# Altium PCB H-00488.PcbDoc (part 1 of 9) (continued)
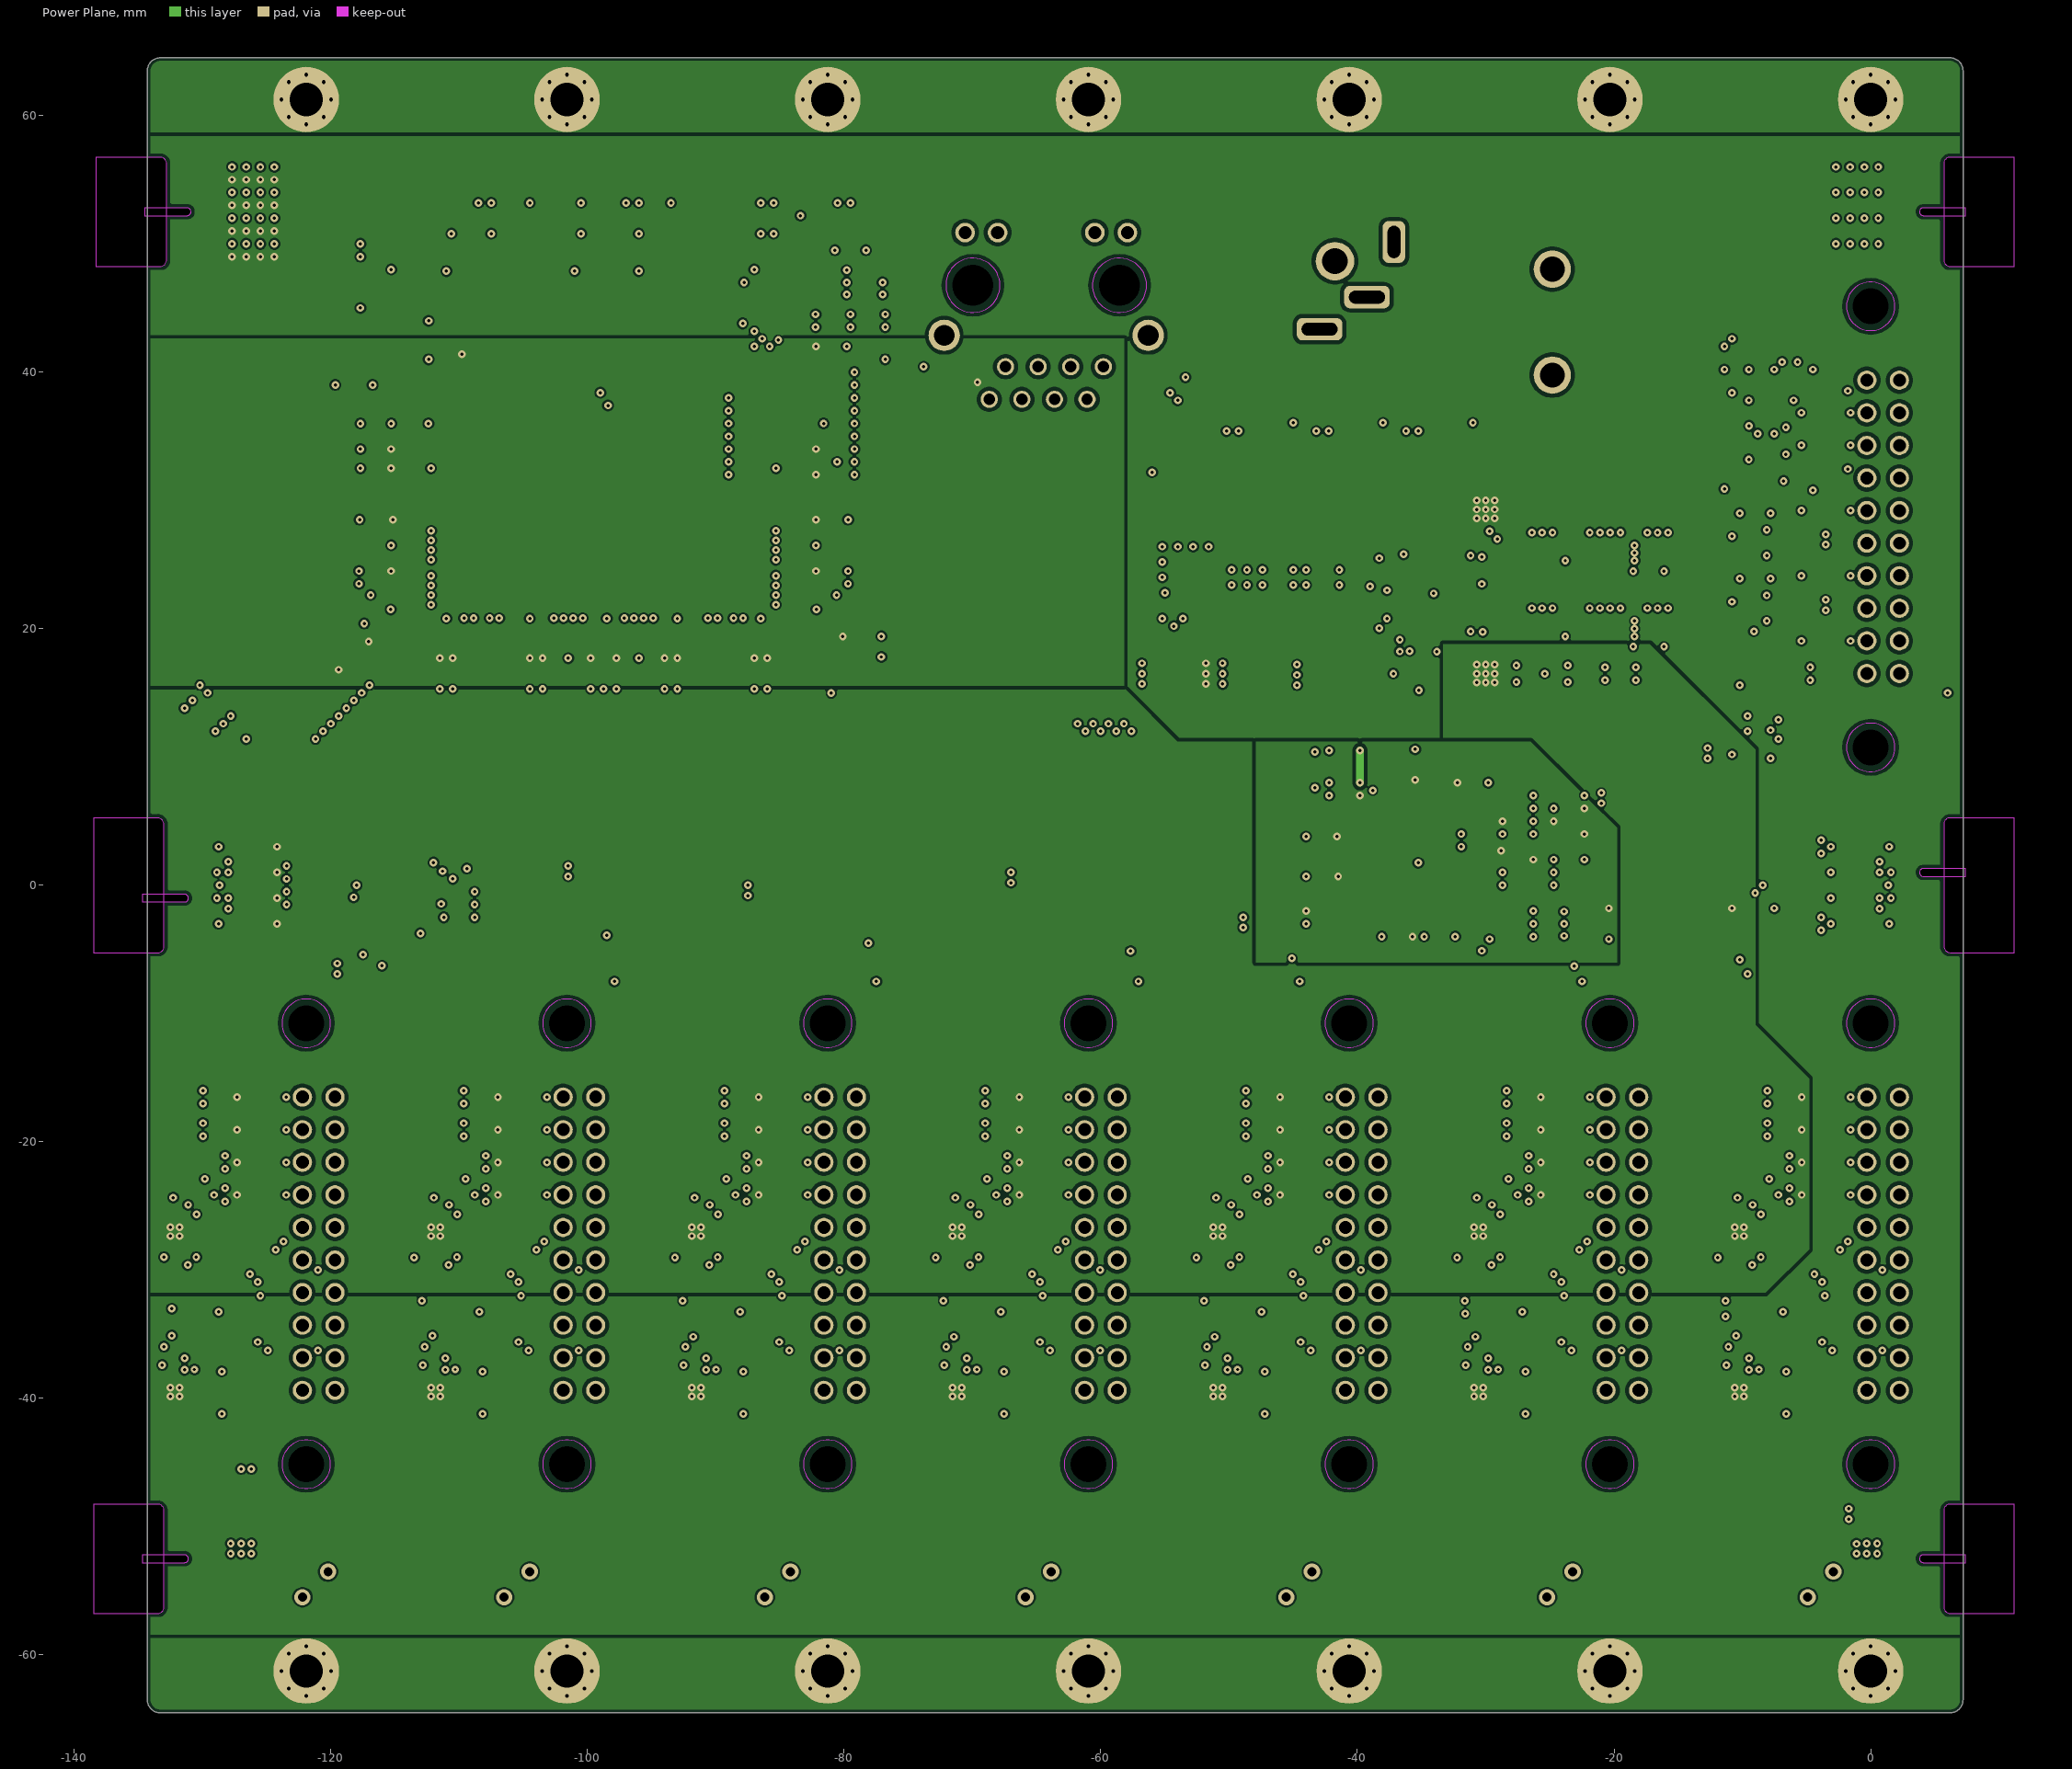
[diagram p3: Power Plane]
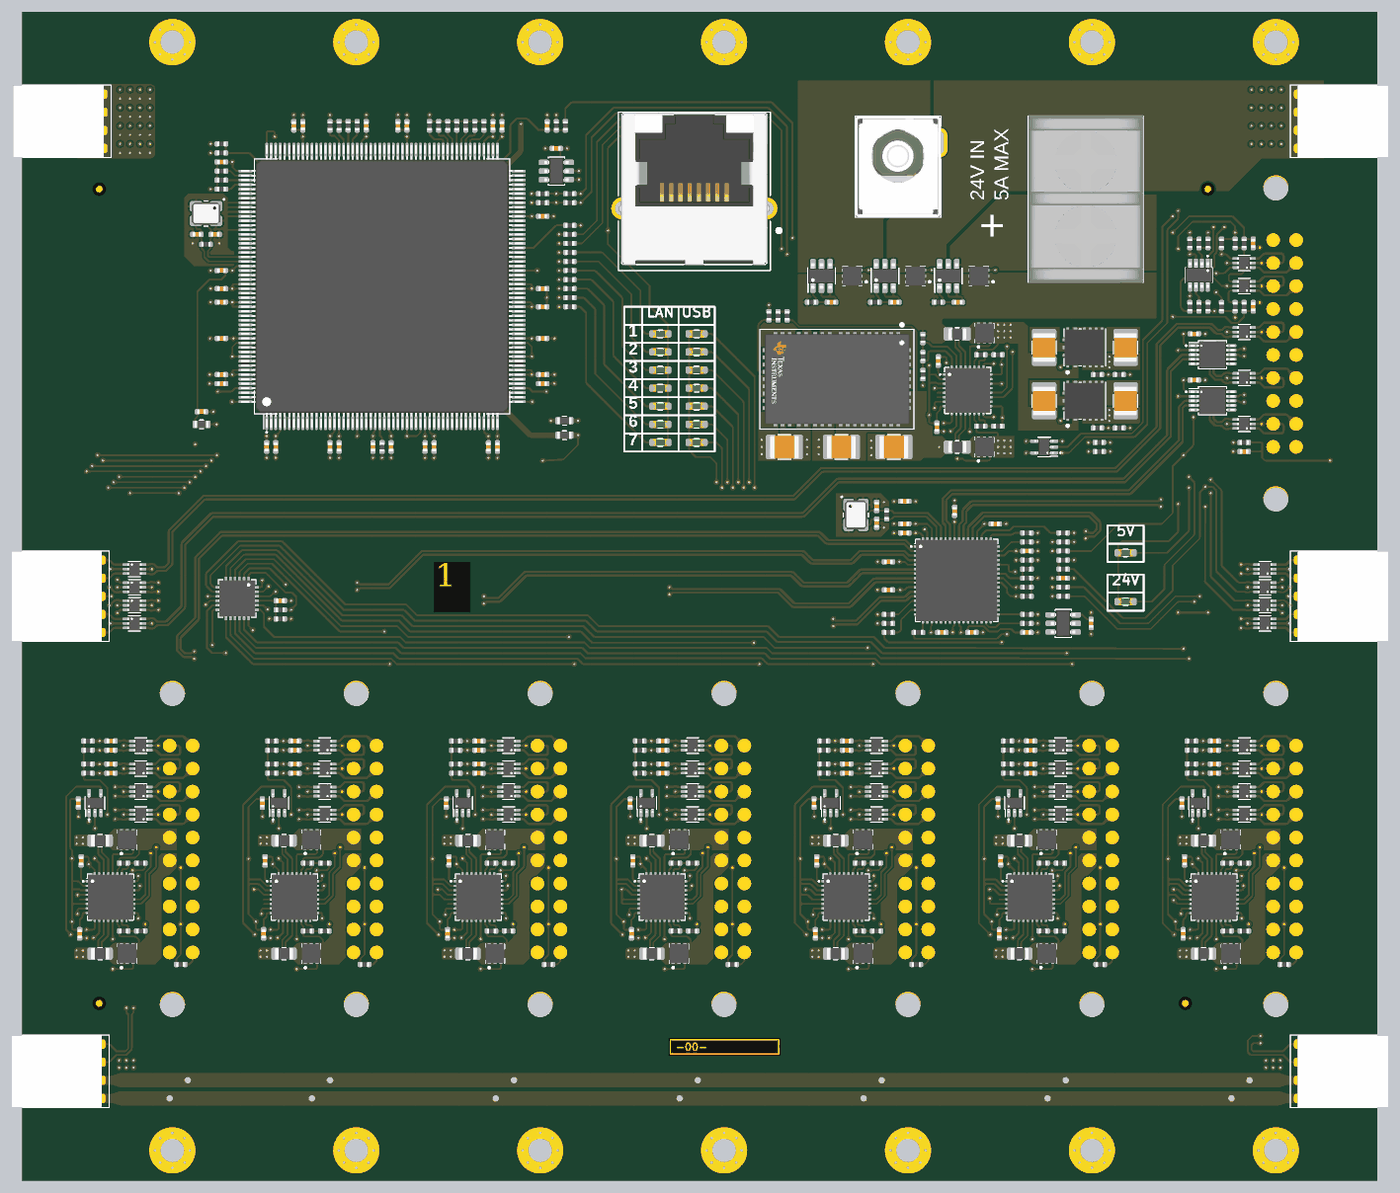
[diagram p12: 3D render of the assembled board from above, using the file's embedded part models]

## Layer stack, top to bottom
Top Solder: solder mask 0.01, Solder Resist, Dk 3.5
Top Layer: signal copper 0.018
Dielectric 1: prepreg 0.36, Prepreg, Dk 4.2
Ground Plane: signal copper 0.035
Dielectric 3: core 0.71, FR-4, Dk 4.2
Power Plane: signal copper 0.035
Dielectric 2: prepreg 0.36, Prepreg, Dk 4.2
Bottom Layer: signal copper 0.018
Bottom Solder: solder mask 0.01, Solder Resist, Dk 3.5

## Board outline
-133.3,-64.5 6.2,-64.5 ccw(c6.2,-63.5) 7.2,-63.5 7.2,63.5 ccw(c6.2,63.5) 6.2,64.5 -133.3,64.5 ccw(c-133.3,63.5) -134.3,63.5 -134.3,-63.5 ccw(c-133.3,-63.5)

## Design rules (kind name [scope] priority, off if disabled: settings)
BoardOutlineClearance [Not OnSilkscreen] p1: gap=0.25 ignorepadtopadclearanceinfootprint=FALSE except(0: Arc-SplitContinuation Track-SplitContinuation SMDPad-SplitContinuation THPad-SplitContinuation Via-SplitContinuation Fill-SplitContinuation Poly-SplitContinuation Region-SplitContinuation Text-SplitContinuation)
Clearance [OnLayer('Ground Plane') or OnLayer('Power Plane')] p1: gap=0.3 ignorepadtopadclearanceinfootprint=FALSE except(0.15: Via-Via Via-Fill Via-Poly Via-Region)
Clearance Clearance-xPP-xTP-xTT [All] p2: gap=0.15 ignorepadtopadclearanceinfootprint=FALSE
ComponentClearance [Not HasFootprint('TITLEBLOCK*') vs Not HasFootprint('TITLEBLOCK*')] p1: gap=0.25 collisioncheckmode=3 verticalgap=0.25 showdistances=FALSE
DiffPairsRouting [All] p1: maxlimit=0.15 minlimit=0.15 mostfreqgap=0.15 toplayer_minwidth=0.25 toplayer_maxwidth=0.3 toplayer_prefwidth=0.3 bottomlayer_minwidth=0.25 bottomlayer_maxwidth=0.3 bottomlayer_prefwidth=0.3 impedanceprofiledriven=TRUE impedanceprofileid={B064AB11-E906-451A-BC8F-0464435875FC} impedanceprofilevalue=100.000000 maxuncoupledlength=12.5
Height [All] p1: minheight=0 maxheight=25 prefheight=12.5
HoleSize HoleSize-PTH [All] p1: absolutevalues=TRUE maxlimit=3.5 minlimit=0.25 maxpercent=80.000 minpercent=20.000
HoleToHoleClearance HoleToHoleClearance_NPTH [Not PadIsPlated vs Not PadIsPlated] p1: gap=0.2 allowstackedmicrovias=TRUE
HoleToHoleClearance [All] p2: gap=0.35 allowstackedmicrovias=TRUE
MinimumAnnularRing "Minimum IAR  >0.45mm" [((ObjectKind = 'Pad') OR (ObjectKind = 'Via')) And (Layer = 'MultiLayer') And (HoleDiameter > AsMM(0.45))] p1: minimumring=0.174 // minimum inner annular ring for pads > 0.45mm finished hole size
MinimumAnnularRing "Minimum IAR <=0.45mm" [((ObjectKind = 'Pad') OR (ObjectKind = 'Via')) And (Layer = 'MultiLayer') And (HoleDiameter <= AsMM(0.45))] p2: minimumring=0.174 // minimum inner annular ring for pads <= 0.45mm finished hole size
MinimumSolderMaskSliver [All] p1: minsoldermaskwidth=0.08
PlaneClearance PlaneClearance-IPI [All] p1: clearance=0.3
PlaneConnect [All] p1: planeconnectstyle=Direct reliefexpansion=0.175 reliefentries=4 reliefconductorwidth=0.2 reliefairgap=0.2
PolygonConnect [HasFootprint('*RLX*') or               HasFootprint('CAPC320*') or       HasFootprint('*RXH*')   or       HasFootprint('*RKH*')] p1: connectstyle=Direct reliefconductorwidth=0.254 reliefentries=4 polygonreliefangle="90 Angle" airgapwidth=0.254
PolygonConnect PolygonConnect-AVX [HasFootprint('AVX_00-9159-008')] p2: connectstyle=Direct reliefconductorwidth=0.254 reliefentries=4 polygonreliefangle="90 Angle" airgapwidth=0.254
PolygonConnect PolygonConnect-GNDC [InNet('GNDC')] p3: connectstyle=Direct reliefconductorwidth=0.254 reliefentries=4 polygonreliefangle="90 Angle" airgapwidth=0.254
PolygonConnect PolygonConnect-Sense [HasFootprint('*SOT1220') or HasFootprint('RESC200X125X70*') or InNet('V_OUT_*')] p4: connectstyle=Direct reliefconductorwidth=0.254 reliefentries=4 polygonreliefangle="90 Angle" airgapwidth=0.254
PolygonConnect PolygonConnect-xTW [All] p5: thpad.connectstyle=Relief thpad.reliefconductorwidth=0.3 thpad.reliefentries=4 thpad.polygonreliefangle="90 Angle" thpad.airgapwidth=0.2 smdpad.connectstyle=Relief smdpad.reliefconductorwidth=0.2 smdpad.reliefentries=4 smdpad.polygonreliefangle="90 Angle" smdpad.airgapwidth=0.2 via.connectstyle=Direct via.reliefconductorwidth=0.2 via.reliefentries=4 via.polygonreliefangle="90 Angle" via.airgapwidth=0.2
RoomDefinition LAN [InComponentClass('LAN')] p1: confinementstyle=ConfineIn formatcopy=TRUE lockcomponents=FALSE outline -7.2,-20.6 -133.2,-20.6 -133.2,54.6 -7.2,54.6
RoomDefinition USB [InComponentClass('USB')] p2: confinementstyle=ConfineIn formatcopy=TRUE lockcomponents=FALSE outline -66,-5 -18,-5 -18,32.4 -66,32.4
RoomDefinition ADDR [InComponentClass('ADDR')] p3: confinementstyle=ConfineIn formatcopy=TRUE lockcomponents=FALSE outline -13.7,30.2 1.7,30.2 1.7,44.5 -13.7,44.5
RoomDefinition DOWNSTREAM [InComponentClass('DOWNSTREAM')] p4: confinementstyle=ConfineIn formatcopy=TRUE lockcomponents=FALSE outline -141.275,-61.245 -122.5,-61.245 -122.5,58.755 -141.275,58.755
RoomDefinition CONNECTORS [InComponentClass('CONNECTORS')] p5: confinementstyle=ConfineIn formatcopy=TRUE lockcomponents=FALSE outline -74.4,33.1 -12.5,33.1 -12.5,55.5 -74.4,55.5
RoomDefinition I2C [InComponentClass('I2C')] p6: confinementstyle=ConfineIn formatcopy=TRUE lockcomponents=FALSE outline -123.9,-4.2 -107,-4.2 -107,3.7 -123.9,3.7
RoomDefinition SLOT1 [InComponentClass('SLOT1')] p7: confinementstyle=ConfineIn formatcopy=FALSE lockcomponents=FALSE outline -134.62,-48.545 -114.3,-48.545 -114.3,-6.635 -134.62,-6.635
RoomDefinition POWER [InComponentClass('POWER')] p8: confinementstyle=ConfineIn formatcopy=TRUE lockcomponents=FALSE outline -58.8,-2 -14,-2 -14,39.48 -58.8,39.48
RoomDefinition MASTER [InComponentClass('MASTER')] p9: confinementstyle=ConfineIn formatcopy=FALSE lockcomponents=FALSE outline -16.8,5.725 16.4,5.725 16.4,50 -16.8,50
RoomDefinition SLOT7 [InComponentClass('SLOT7')] p10: confinementstyle=ConfineIn formatcopy=TRUE lockcomponents=FALSE outline -12.7,-48.545 7.62,-48.545 7.62,-6.635 -12.7,-6.635
RoomDefinition UPSTREAM [InComponentClass('UPSTREAM')] p11: confinementstyle=ConfineIn formatcopy=TRUE lockcomponents=FALSE outline -4.5,-61.245 13.975,-61.245 13.975,58.755 -4.5,58.755
RoomDefinition SLOT5 [InComponentClass('SLOT5')] p12: confinementstyle=ConfineIn formatcopy=TRUE lockcomponents=FALSE outline -53.34,-48.545 -33.02,-48.545 -33.02,-6.635 -53.34,-6.635
RoomDefinition SLOT4 [InComponentClass('SLOT4')] p13: confinementstyle=ConfineIn formatcopy=TRUE lockcomponents=FALSE outline -73.66,-48.545 -53.34,-48.545 -53.34,-6.635 -73.66,-6.635
RoomDefinition SLOT3 [InComponentClass('SLOT3')] p14: confinementstyle=ConfineIn formatcopy=TRUE lockcomponents=FALSE outline -93.98,-48.545 -73.66,-48.545 -73.66,-6.635 -93.98,-6.635
RoomDefinition SLOT2 [InComponentClass('SLOT2')] p15: confinementstyle=ConfineIn formatcopy=TRUE lockcomponents=FALSE outline -114.3,-48.545 -93.98,-48.545 -93.98,-6.635 -114.3,-6.635
RoomDefinition SLOT6 [InComponentClass('SLOT6')] p16: confinementstyle=ConfineIn formatcopy=TRUE lockcomponents=FALSE outline -33.02,-48.545 -12.7,-48.545 -12.7,-6.635 -33.02,-6.635
RoutingCorners [All] p1: cornerstyle=45-Degree minsetback=2.5 maxsetback=2.5
RoutingVias "RoutingVias <= 0.45mm" [(ObjectKind = 'Via') And (HoleDiameter <= AsMM(0.45))] p1: holewidth=0.3 width=0.65 viastyle="Through Hole" minholewidth=0.25 minwidth=0.6 maxholewidth=0.45 maxwidth=0.8 // finishet hole size <= 0.45mm
SMDEntry [All] p1: side=TRUE corner=FALSE anyangle=FALSE
SMDToCorner [Not InNet('*SENSE*') And Not InNet('V_24P0') And Not InNet('V_5P0') And Not InNet('V_IN_24P0')  And Not InNet('V_REG_5P0')] p1: distance=39370
SilkToSilkClearance [All] p1: silktosilkclearance=0.2
SilkToSolderMaskClearance SilkscreenOverComponentPads [IsPad] p1: minsilkscreentomaskgap=0.1 clearancetoexposedcopper=TRUE
SolderMaskExpansion [All] p1: expansion=0 istentingtop=FALSE
UnRoutedNet [All] p1: checkbadconnections=TRUE
Width Width-xTW [All] p1: maxlimit=2 minlimit=0.15 preferedwidth=0.2
18 further rules are at their usual default settings.

## Classes and differential pairs
net class USB_Nets: USB_CFG1 USB_CFG2 USB_LED_A1 USB_LED_A2 USB_LED_A3 USB_LED_A4 USB_LED_A5 USB_LED_A6 USB_LED_A7 USB_LED_R_A1 USB_LED_R_A2 USB_LED_R_A3 USB_LED_R_A4 USB_LED_R_A5 USB_LED_R_A6 USB_LED_R_A7 USB_LEDB1 USB_LEDB2 USB_LEDB3 USB_LEDB4 USB_LEDB5 USB_LEDB6 USB_LEDB7 USB_OSC1 USB_OSC2 USB_OSC3 USB_OSC4 USB_OSC5 USB_OSC6 USB_OSC7 USB_PWR1 USB_PWR2 USB_PWR3 USB_PWR4 USB_PWR5 USB_PWR6 USB_PWR7 USB_RBIAS USB_RESET USB_SCL USB_SDA USB_SUSP USB_TEST USB_XTAL1 USB_XTAL2 V_USB_1P8 V_USB_3V3 V_USB_PLL_1P8 VBUS_DET
net class UPSTREAM_Nets: US_HOST1_D_N US_HOST1_D_P US_HOST2_D_N US_HOST2_D_P US_ID US_RESET US_SCL US_SDA
net class SLOT7_Nets: ADIN1_7 ADIN2_7 ADR0_7 ADR1_7 ADR2_7 ALERT_7 CONFIG_7 EN_7 EN_EXT_7 FB1_7 FB2_7 GATE1_7 GATE2_7 GPIO1_7 GPIO2_7 I2C_EXT_SCL_7 I2C_EXT_SDA_7 LAN_RX_7_N LAN_RX_7_P LAN_RX_EXT_7_N LAN_RX_EXT_7_P LAN_TX_7_N LAN_TX_7_P LAN_TX_EXT_7_N LAN_TX_EXT_7_P ON_7 OV1_7 OV2_7 SENSE1_7 SENSE2_7 SS_7 TIMER_7 USB_D_7_N USB_D_7_P UV1_7 UV2_7 V_OUT_5P0_7 V_OUT_24P0_7
net class SLOT6_Nets: ADIN1_6 ADIN2_6 ADR0_6 ADR1_6 ADR2_6 ALERT_6 CONFIG_6 EN_6 EN_EXT_6 FB1_6 FB2_6 GATE1_6 GATE2_6 GPIO1_6 GPIO2_6 I2C_EXT_SCL_6 I2C_EXT_SDA_6 LAN_RX_6_N LAN_RX_6_P LAN_RX_EXT_6_N LAN_RX_EXT_6_P LAN_TX_6_N LAN_TX_6_P LAN_TX_EXT_6_N LAN_TX_EXT_6_P ON_6 OV1_6 OV2_6 SENSE1_6 SENSE2_6 SS_6 TIMER_6 USB_D_6_N USB_D_6_P UV1_6 UV2_6 V_OUT_5P0_6 V_OUT_24P0_6
net class SLOT5_Nets: ADIN1_5 ADIN2_5 ADR0_5 ADR1_5 ADR2_5 ALERT_5 CONFIG_5 EN_5 EN_EXT_5 FB1_5 FB2_5 GATE1_5 GATE2_5 GPIO1_5 GPIO2_5 I2C_EXT_SCL_5 I2C_EXT_SDA_5 LAN_RX_5_N LAN_RX_5_P LAN_RX_EXT_5_N LAN_RX_EXT_5_P LAN_TX_5_N LAN_TX_5_P LAN_TX_EXT_5_N LAN_TX_EXT_5_P ON_5 OV1_5 OV2_5 SENSE1_5 SENSE2_5 SS_5 TIMER_5 USB_D_5_N USB_D_5_P UV1_5 UV2_5 V_OUT_5P0_5 V_OUT_24P0_5
net class SLOT4_Nets: ADIN1_4 ADIN2_4 ADR0_4 ADR1_4 ADR2_4 ALERT_4 CONFIG_4 EN_4 EN_EXT_4 FB1_4 FB2_4 GATE1_4 GATE2_4 GPIO1_4 GPIO2_4 I2C_EXT_SCL_4 I2C_EXT_SDA_4 LAN_RX_4_N LAN_RX_4_P LAN_RX_EXT_4_N LAN_RX_EXT_4_P LAN_TX_4_N LAN_TX_4_P LAN_TX_EXT_4_N LAN_TX_EXT_4_P ON_4 OV1_4 OV2_4 SENSE1_4 SENSE2_4 SS_4 TIMER_4 USB_D_4_N USB_D_4_P UV1_4 UV2_4 V_OUT_5P0_4 V_OUT_24P0_4
net class SLOT3_Nets: ADIN1_3 ADIN2_3 ADR0_3 ADR1_3 ADR2_3 ALERT_3 CONFIG_3 EN_3 EN_EXT_3 FB1_3 FB2_3 GATE1_3 GATE2_3 GPIO1_3 GPIO2_3 I2C_EXT_SCL_3 I2C_EXT_SDA_3 LAN_RX_3_N LAN_RX_3_P LAN_RX_EXT_3_N LAN_RX_EXT_3_P LAN_TX_3_N LAN_TX_3_P LAN_TX_EXT_3_N LAN_TX_EXT_3_P ON_3 OV1_3 OV2_3 SENSE1_3 SENSE2_3 SS_3 TIMER_3 USB_D_3_N USB_D_3_P UV1_3 UV2_3 V_OUT_5P0_3 V_OUT_24P0_3
net class SLOT2_Nets: ADIN1_2 ADIN2_2 ADR0_2 ADR1_2 ADR2_2 ALERT_2 CONFIG_2 EN_2 EN_EXT_2 FB1_2 FB2_2 GATE1_2 GATE2_2 GPIO1_2 GPIO2_2 I2C_EXT_SCL_2 I2C_EXT_SDA_2 LAN_RX_2_N LAN_RX_2_P LAN_RX_EXT_2_N LAN_RX_EXT_2_P LAN_TX_2_N LAN_TX_2_P LAN_TX_EXT_2_N LAN_TX_EXT_2_P ON_2 OV1_2 OV2_2 SENSE1_2 SENSE2_2 SS_2 TIMER_2 USB_D_2_N USB_D_2_P UV1_2 UV2_2 V_OUT_5P0_2 V_OUT_24P0_2
net class SLOT1_Nets: ADIN1_1 ADIN2_1 ADR0_1 ADR1_1 ADR2_1 ALERT_1 CONFIG_1 EN_1 EN_EXT_1 FB1_1 FB2_1 GATE1_1 GATE2_1 GPIO1_1 GPIO2_1 I2C_EXT_SCL_1 I2C_EXT_SDA_1 LAN_RX_1_N LAN_RX_1_P LAN_RX_EXT_1_N LAN_RX_EXT_1_P LAN_TX_1_N LAN_TX_1_P LAN_TX_EXT_1_N LAN_TX_EXT_1_P ON_1 OV1_1 OV2_1 SENSE1_1 SENSE2_1 SS_1 TIMER_1 USB_D_1_N USB_D_1_P UV1_1 UV2_1 V_OUT_5P0_1 V_OUT_24P0_1
net class POWER_Nets: N000-1 NetC165_1 NetC167_1 NetC169_1 NetD20_C NetD21_C NetNT17_1 NetNT18_1 NetR27_2 NetR80_1 NetR80_2 NetR81_1 NetR81_2 NetR101_2 NetR182_2 NetR186_2 NetR193_2 NetU7_16 NetU7_18 NetU7_21 NetU7_23 NetU7_25 NetU10_5 PWR_ADR0 PWR_ADR1 PWR_ADR2 PWR_CONFIG PWR_EN1 PWR_EN2 PWR_EN_2P1 PWR_EN_3P3 PWR_FB1 PWR_FB2 PWR_GATE1 PWR_GATE2 PWR_GATEA PWR_GATEB PWR_GATEC PWR_INTVCC PWR_LM_VCC PWR_ON PWR_OV1 PWR_OV2 PWR_PGOOD_5V PWR_PGOOD_5V_R PWR_PGOOD_24V PWR_PGOOD_24V_R PWR_SENSE1 PWR_SENSE2 PWR_SS PWR_SW_2P1 PWR_SW_3P3 PWR_SW_NC PWR_TIMER PWR_UV1 PWR_UV2 V_IN_24P0 V_REG_5P0
net class MASTER_Nets: ENABLE NetJ8_A1 NetJ8_B1 RESET_HOST RESET_R SCL_HOST SDA_HOST SELECT_HJOST SELECT_R USB_HOST_1_N USB_HOST_1_P USB_HOST_1X_N USB_HOST_1X_P USB_HOST_2_N USB_HOST_2_P USB_HOST_2X_N USB_HOST_2X_P USB_HOST_3_N USB_HOST_3_P
net class LAN_Nets: LAN_ACT_R1 LAN_ACT_R2 LAN_ACT_R3 LAN_ACT_R4 LAN_ACT_R5 LAN_ACT_R6 LAN_ACT_R7 LAN_AUTOMDIX LAN_BIST LAN_CFGMODE LAN_EN1P LAN_IO_SWM LAN_ISET LAN_LED1_0 LAN_LED1_1 LAN_LED1_2 LAN_LED1_3 LAN_LED2_0 LAN_LED2_1 LAN_LED2_2 LAN_LED2_3 LAN_LED3_0 LAN_LED3_1 LAN_LED3_2 LAN_LED3_3 LAN_LED4_0 LAN_LED4_1 LAN_LED4_2 LAN_LED4_3 LAN_LED5_0 LAN_LED5_1 LAN_LED5_2 LAN_LED5_3 LAN_LED6_0 LAN_LED6_1 LAN_LED6_2 LAN_LED6_3 LAN_LED7_0 LAN_LED7_1 LAN_LED7_2 LAN_LED7_3 LAN_LED8_0 LAN_LED8_1 LAN_LED8_2 LAN_LED8_3 LAN_LED9_0 LAN_LED9_1 LAN_LED9_2 LAN_LED9_3 LAN_MODESEL0 LAN_MODESEL1 LAN_MODESEL2 LAN_MODESEL3 LAN_PRSV LAN_RLPBK LAN_RST LAN_SCL LAN_SDA LAN_X1 LAN_X2 NetU1_7 NetU1_8 NetU1_11 NetU1_12 NetU1_13 NetU1_14 NetU1_39 NetU1_40 NetU1_41 NetU1_42 NetU1_45 NetU1_46 NetU1_80 NetU1_81 NetU1_83 NetU1_84 NetU1_85 NetU1_86 NetU1_88 NetU1_89 NetU1_90 NetU1_96 NetU1_97 NetU1_98 NetU1_99 NetU1_100 NetU1_101 NetU1_102 NetU1_103 NetU1_104 NetU1_119 NetU1_120 NetU1_121 NetU1_122 NetU1_123 NetU1_124 NetU1_172 NetU1_173 NetU1_174 NetU1_175 NetU1_180 NetU1_181 V_LAN_2P1 V_LAN_3P3 V_LAN_PL_2P1
net class DOWNSTREAM_Nets: DS_HOST2_D_N DS_HOST2_D_P DS_HOST3_D_N DS_HOST3_D_P DS_ID DS_RESET DS_SCL DS_SDA
net class CONNECTORS_Nets: NetJ9_3 NetJ9_7 NetJ9_8 NetJ9_9 NetJ9_10 NetJ9_M1 NetJ9_M2 NetJ10_3
net class ADDR_Nets: DS_REF US_REF
component class ADDR: R195 R196 R197 R198 R199 R200 U117
differential pair class DIFF_USB: USB1.D USB2.D USB3.D USB4.D USB5.D USB6.D USB7.D USB_D_1 USB_D_2 USB_D_3 USB_D_4 USB_D_5 USB_D_6 USB_D_7
differential pair class DIFF_USB_EXT: DS_HOST2_D DS_HOST3_D US_HOST1_D US_HOST2_D
differential pair class DIFF_LAN: LAN1.RX LAN1.TX LAN2.RX LAN2.TX LAN3.RX LAN3.TX LAN4.RX LAN4.TX LAN5.RX LAN5.TX LAN6.RX LAN6.TX LAN7.RX LAN7.TX LAN8.RX LAN8.TX LAN_RX_1 LAN_RX_2 LAN_RX_3 LAN_RX_4 LAN_RX_5 LAN_RX_6 LAN_RX_7 LAN_RX_EXT_1 LAN_RX_EXT_2 LAN_RX_EXT_3 LAN_RX_EXT_4 LAN_RX_EXT_5 LAN_RX_EXT_6 LAN_RX_EXT_7 LAN_TX_1 LAN_TX_2 LAN_TX_3 LAN_TX_4 LAN_TX_5 LAN_TX_6 LAN_TX_7 LAN_TX_EXT_1 LAN_TX_EXT_2 LAN_TX_EXT_3 LAN_TX_EXT_4 LAN_TX_EXT_5 LAN_TX_EXT_6 LAN_TX_EXT_7
component class POWER: C162 C163 C164 C165 C166 C167 C168 C169 C170 C171 C172 C173 D131 D132 NT129 NT130 NT131 NT132 NT133 NT134 NT135 NT136 NT137 Q102 Q103 Q104 Q105 Q106 R101 R175 R176 R177 R178 R179 R180 R181 R182 R183 R184 R185 R186 R187 R188 R189 R190 R191 R192 R193 R194 U109 U110 U111 U112 U113 U114 U115 U116
component class CONNECTORS: J108 J109 J110
component class I2C: C161 R173 R174 U108
component class MASTER: C157 C158 C159 C160 D126 D127 D128 D129 D130 J107 R167 R168 R169 R170 R171 R172 U106 U107
component class DOWNSTREAM: D115 D116 D117 D118 J104 J105 J106
component class USB: C142 C143 C144 C145 C146 C147 C148 C149 C150 C151 C152 C153 C154 C155 C156 D119 D120 D121 D122 D123 D124 D125 NT127 NT128 R146 R147 R148 R149 R150 R151 R152 R153 R154 R155 R156 R157 R158 R159 R160 R161 R162 R163 R164 R165 R166 U104 U105 Y101
component class SLOT7: C135_7 C136_7 C137_7 C138_7 C139_7 C140_7 C141_7 D111_7 D112_7 D113_7 D114_7 J103_7 NT118_7 NT119_7 NT120_7 NT121_7 NT122_7 NT123_7 NT124_7 NT125_7 NT126_7 Q100_7 Q101_7 R135_7 R136_7 R137_7 R138_7 R139_7 R140_7 R141_7 R142_7 R143_7 R144_7 R145_7 U102_7 U103_7
component class SLOT6: C135_6 C136_6 C137_6 C138_6 C139_6 C140_6 C141_6 D111_6 D112_6 D113_6 D114_6 J103_6 NT118_6 NT119_6 NT120_6 NT121_6 NT122_6 NT123_6 NT124_6 NT125_6 NT126_6 Q100_6 Q101_6 R135_6 R136_6 R137_6 R138_6 R139_6 R140_6 R141_6 R142_6 R143_6 R144_6 R145_6 U102_6 U103_6
component class SLOT5: C135_5 C136_5 C137_5 C138_5 C139_5 C140_5 C141_5 D111_5 D112_5 D113_5 D114_5 J103_5 NT118_5 NT119_5 NT120_5 NT121_5 NT122_5 NT123_5 NT124_5 NT125_5 NT126_5 Q100_5 Q101_5 R135_5 R136_5 R137_5 R138_5 R139_5 R140_5 R141_5 R142_5 R143_5 R144_5 R145_5 U102_5 U103_5
component class SLOT4: C135_4 C136_4 C137_4 C138_4 C139_4 C140_4 C141_4 D111_4 D112_4 D113_4 D114_4 J103_4 NT118_4 NT119_4 NT120_4 NT121_4 NT122_4 NT123_4 NT124_4 NT125_4 NT126_4 Q100_4 Q101_4 R135_4 R136_4 R137_4 R138_4 R139_4 R140_4 R141_4 R142_4 R143_4 R144_4 R145_4 U102_4 U103_4
component class SLOT3: C135_3 C136_3 C137_3 C138_3 C139_3 C140_3 C141_3 D111_3 D112_3 D113_3 D114_3 J103_3 NT118_3 NT119_3 NT120_3 NT121_3 NT122_3 NT123_3 NT124_3 NT125_3 NT126_3 Q100_3 Q101_3 R135_3 R136_3 R137_3 R138_3 R139_3 R140_3 R141_3 R142_3 R143_3 R144_3 R145_3 U102_3 U103_3
component class SLOT2: C135_2 C136_2 C137_2 C138_2 C139_2 C140_2 C141_2 D111_2 D112_2 D113_2 D114_2 J103_2 NT118_2 NT119_2 NT120_2 NT121_2 NT122_2 NT123_2 NT124_2 NT125_2 NT126_2 Q100_2 Q101_2 R135_2 R136_2 R137_2 R138_2 R139_2 R140_2 R141_2 R142_2 R143_2 R144_2 R145_2 U102_2 U103_2
component class SLOT1: C135_1 C136_1 C137_1 C138_1 C139_1 C140_1 C141_1 D111_1 D112_1 D113_1 D114_1 J103_1 NT118_1 NT119_1 NT120_1 NT121_1 NT122_1 NT123_1 NT124_1 NT125_1 NT126_1 Q100_1 Q101_1 R135_1 R136_1 R137_1 R138_1 R139_1 R140_1 R141_1 R142_1 R143_1 R144_1 R145_1 U102_1 U103_1
channel class "H-00488 - Card Slot": MASTER SLOT1 SLOT2 SLOT3 SLOT4 SLOT5 SLOT6 SLOT7
component class UPSTREAM: D107 D108 D109 D110 J100 J101 J102
component class LAN: C100 C101 C102 C103 C104 C105 C106 C107 C108 C109 C110 C111 C112 C113 C114 C115 C116 C117 C118 C119 C120 C121 C122 C123 C124 C125 C126 C127 C128 C129 C130 C131 C132 C133 C134 D100 D101 D102 D103 D104 D105 D106 L100 L101 L102 NT100 NT101 NT102 NT103 NT104 NT105 NT106 NT107 NT108 NT109 NT110 NT111 NT112 NT113 NT114 NT115 NT116 NT117 R100 R102 R103 R104 R105 R106 R107 R108 R109 R110 R111 R112 R113 R114 R115 R116 R117 R118 R119 R120 R121 R122 R123 R124 R125 R126 R127 R128 R129 R130 R131 R132 R133 R134 U100 U101 Y100
component class "H-00488 - Top": C174 FID100 FID101 FID102 FID103 G100 G101 MH100 MH101 MH102 MH103 MH104 MH105 MH106 MH107 MH108 MH109 MH110 MH111 MH112 MH113 MP100 PCB100 R201
differential pair US_HOST2_D: +US_HOST2_D_P -US_HOST2_D_N
differential pair US_HOST1_D: +US_HOST1_D_P -US_HOST1_D_N
differential pair LAN7.TX: +LAN7.TX_P -LAN7.TX_N
differential pair LAN7.RX: +LAN7.RX_P -LAN7.RX_N
differential pair LAN6.TX: +LAN6.TX_P -LAN6.TX_N
differential pair LAN6.RX: +LAN6.RX_P -LAN6.RX_N
differential pair USB7.D: +USB7.D_P -USB7.D_N
differential pair USB6.D: +USB6.D_P -USB6.D_N
differential pair USB5.D: +USB5.D_P -USB5.D_N
differential pair USB4.D: +USB4.D_P -USB4.D_N
differential pair USB3.D: +USB3.D_P -USB3.D_N
differential pair USB2.D: +USB2.D_P -USB2.D_N
differential pair USB1.D: +USB1.D_P -USB1.D_N
differential pair USB_HOST_2X: +USB_HOST_2X_P -USB_HOST_2X_N
differential pair USB_HOST_1X: +USB_HOST_1X_P -USB_HOST_1X_N
differential pair DS_HOST3_D: +DS_HOST2_D_P -DS_HOST2_D_N
differential pair DS_HOST2_D: +DS_HOST3_D_P -DS_HOST3_D_N
differential pair USB_HOST_2: +USB_HOST_2_P -USB_HOST_2_N
differential pair LAN8.TX: +LAN8.TX_P -LAN8.TX_N
differential pair LAN8.RX: +LAN8.RX_P -LAN8.RX_N
differential pair LAN5.TX: +LAN5.TX_P -LAN5.TX_N
differential pair LAN5.RX: +LAN5.RX_P -LAN5.RX_N
differential pair LAN4.TX: +LAN4.TX_P -LAN4.TX_N
differential pair LAN4.RX: +LAN4.RX_P -LAN4.RX_N
differential pair LAN3.TX: +LAN3.TX_P -LAN3.TX_N
differential pair LAN3.RX: +LAN3.RX_P -LAN3.RX_N
differential pair LAN2.TX: +LAN2.TX_P -LAN2.TX_N